# Altium PCB viper_eagle_modern.PcbDoc (part 4 of 4)
Units mm, origin at the board's own origin, x right, y up, seen from the top; angles counter-clockwise.
Board outline 285.4 x 100.2 mm, 2 copper layers (Component Side, Bottom Layer), stack 1.571 mm thick; 350 components, 202 nets, 1207 pads, 313 vias.
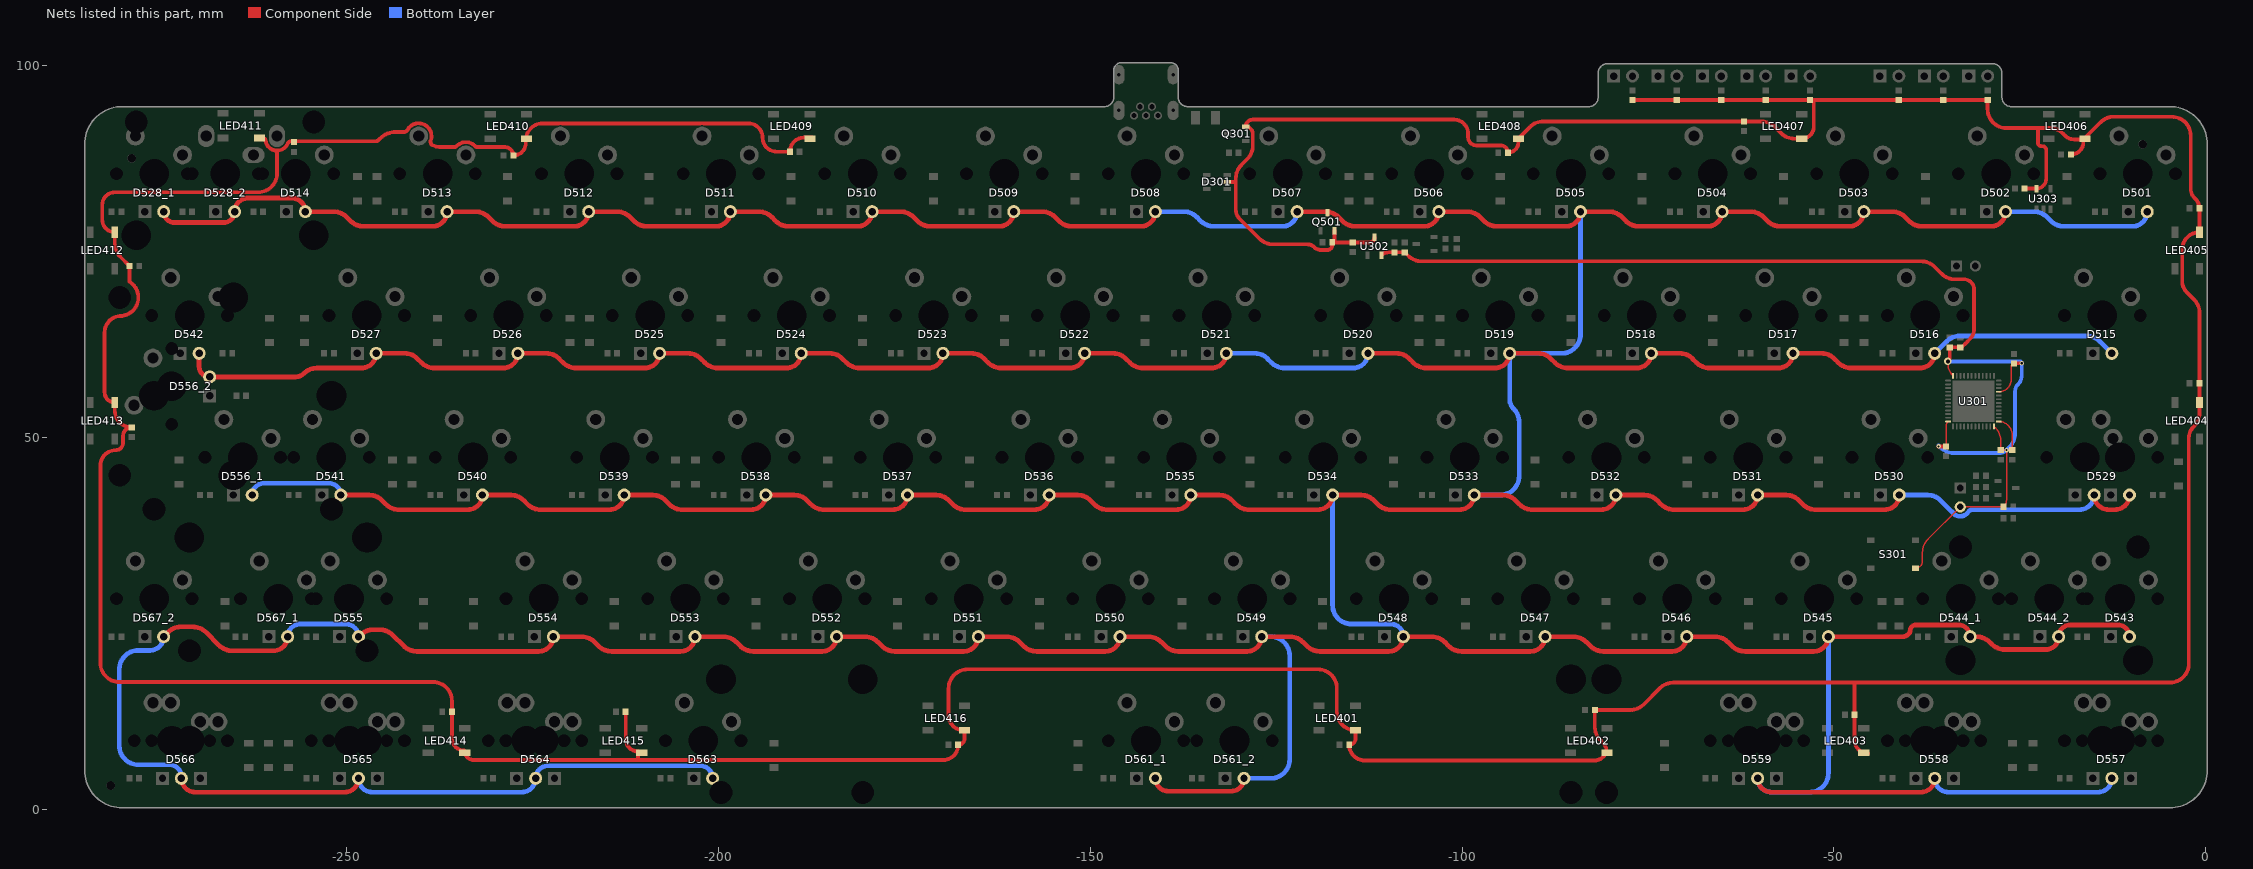
[diagram p4: the nets of this part, all layers, seen from the top]

## Via types
v1: diameter 0.6, hole 0.3, Component Side to Bottom Layer, tented both sides, 287 vias
v2: diameter 0.6, hole 0.3, Component Side to Bottom Layer, tented bottom, 25 vias
v3: diameter 1, hole 0.5, Component Side to Bottom Layer, tented both sides, 1 vias

## Nets (pads, with @x,y where several pads share a name; then routed paths per layer and width w, separated by ;. In a path a pad name is that pad's centre, name@x,y a point inside that pad or via, vN(x,y) a via of type N, cw(c..) or ccw(c..) an arc to the next point about the centre after c; other vN are vias at no path point) (continued)
VCC3V3: C301.2 C302.2 C303.2 C304.2 C305.2 C306.2 C311.2 C312.2 CON303.2 R303.1 S301.1@-39.037,32.415 U301.1 U301.9 U301.24 U301.36 U301.48 U302.2 | length 172.2
  Component Side w0.203: S301.1@-39.037,32.415 ccw(c-39.037,33.352) -38.1,33.352 -38.1,34.508 cw(c-35.56,34.508) -37.356,36.304 CON303.2@-33.02,40.64 R303.1@-27.193,40.64 ccw(c-28.149,41.596) -26.797,41.596 v1(-26.797,48.275) ; C301.2@-34.925,48.783 -34.925,51.431 cw(c-33.958,51.431) U301.36@-34.642,52.114 ; v3(-34.671,60.198) -34.671,59.904 ccw(c-32.352,59.904) U301.24@-33.992,58.264 ; U301.48@-28.492,51.464 -28.303,51.275 cw(c-30.099,49.479) -27.623,50.046 cw(c-30.099,49.479) -27.559,49.479 C312.2@-27.559,48.275 v1(-26.797,48.275) ; U301.1@-27.842,52.114 cw(c-27.842,50.307) -26.035,50.307 C305.2@-26.035,48.275 v1(-26.797,48.275) ; U301.9@-27.842,56.114 ccw(c-27.842,57.794) -26.162,57.794 -26.162,59.509 cw(c-25.781,59.509) C303.2@-25.781,59.89
  Component Side w0.508: U302.2@-110.81,74.492 cw(c-109.919,73.601) -109.919,74.861 C311.2@-109.093,74.861 C302.2@-107.696,74.861 -107.239,74.404 ccw(c-105.443,76.2) -105.443,73.66 -38.263,73.66 cw(c-38.263,71.12) -37.804,73.618 cw(c-38.263,71.12) -36.467,72.916 -35.542,71.991 ccw(c-33.746,73.787) -33.746,71.247 -32.536,71.247 cw(c-32.536,69.872) -31.16,69.872 -31.16,64.572 cw(c-33.145,64.572) -31.618,63.305 cw(c-33.145,64.572) -31.742,63.168 -32.123,62.788 cw(c-32.482,63.147) -32.147,62.766 ccw(c-31.115,61.595) -32.286,62.626 cw(c-32.667,62.962) -32.308,62.603 -32.684,62.227 cw(c-33.02,62.564) C306.2@-33.02,62.088 C304.2@-34.417,62.088 -34.417,60.811 cw(c-35.284,60.811) v3(-34.671,60.198) ; v1(-35.941,48.768) -34.961,48.768 ccw(c-34.961,48.819) C301.2@-34.925,48.783 ; C303.2@-25.781,59.89 cw(c-25.727,59.89) -25.727,59.944 v1(-24.765,59.944)
  Bottom Layer w0.508: v1@-35.941,48.895 -35.669,48.623 ccw(c-33.873,50.419) -33.873,47.879 -27.753,47.879 ccw(c-27.753,49.231) -27.164,48.014 ccw(c-27.753,49.231) v1(-26.797,48.275) -26.39,48.682 ccw(c-28.186,50.478) -25.646,50.478 -25.646,56.183 cw(c-24.373,56.183) -25.273,57.083 ccw(c-26.499,58.31) -24.765,58.31 v1(-24.765,59.944) ccw(c-25.019,59.944) -25.019,60.198 v3(-34.671,60.198)
VCC5V: C310.2 C313.2 C401.2 C402.2 C403.2 C404.2 C405.2 C406.2 C407.2 C408.2 C409.2 C410.2 C411.2 C412.2 C413.2 C414.2 C415.2 C416.2 D301.5 LED401.1 LED402.1 LED403.1 LED404.1 LED405.1 LED406.1 LED407.1 LED408.1 LED409.1 LED410.1 LED411.1 LED412.1 LED413.1 LED414.1 LED415.1 LED416.1 Q301.2 Q501.2 R401.1 R402.1 R403.1 R404.1 R405.1 R406.1 R407.1 R408.1 R568.2 U302.3 U303.5 | length 821.8
  Component Side w0.508: -280.298,66.306 cw(c-280.465,68.783) -280.44,66.3 ; LED411.1@-261.71,90.298 -261.381,90.298 cw(c-261.379,89.79) -260.877,89.865 ccw(c-259.34,90.095) -257.972,89.358 ; -259.334,88.519 -259.334,85.48 cw(c-261.874,85.48) -261.874,82.94 -281.169,82.94 ccw(c-281.169,81.28) -282.829,81.28 -282.829,79.244 ccw(c-281.15,79.244) LED412.1@-281.15,77.565 -281.15,76.066 ccw(c-278.61,76.066) -280.406,74.27 C412.2@-279.161,73.025 -279.161,70.896 cw(c-280.465,68.783) -278.229,67.704 cw(c-280.465,68.783) -280.44,66.3 ; -257.909,89.489 cw(c-257.441,89.291) -257.541,89.789 -255.27,89.789 -246.071,89.789 ccw(c-246.071,90.297) -245.685,89.967 cw(c-243.332,87.955) -245.227,90.403 cw(c-243.332,87.955) -243.332,91.051 -242.252,91.051 ccw(c-242.252,91.559) -241.806,91.317 cw(c-240.29,90.495) -239.833,92.157 cw(c-240.29,90.495) -238.67,89.905 ccw(c-238.193,89.731) -238.42,89.277 ccw(c-237.293,91.553) -237.293,89.013 -235.53,89.013 ccw(c-235.53,89.521) -235.168,89.165 cw(c-233.94,87.955) -232.712,89.165 ccw(c-232.35,89.521) -232.35,89.013 -230.796,89.013 -228.698,89.013 cw(c-228.698,87.884) C410.2@-227.569,87.884 ccw(c-227.569,89.557) -225.896,89.557 -225.896,89.917 cw(c-223.611,89.917) -223.611,92.202 -221.515,92.202 ccw(c-221.515,92.71) -221.452,92.206 cw(c-221.24,90.495) -221.028,92.206 ccw(c-220.965,92.71) -220.965,92.202 -202.465,92.202 ccw(c-202.465,92.71) -202.402,92.206 cw(c-202.19,90.495) -201.978,92.206 ccw(c-201.915,92.71) -201.915,92.202 -199.771,92.202 -195.961,92.202 cw(c-195.961,90.297) -194.056,90.297 ccw(c-192.151,90.297) -192.151,88.392 C409.2@-190.373,88.392 cw(c-188.467,88.392) -188.467,90.298 LED409.1@-187.415,90.298 ; C415.2@-212.456,13.081 -212.456,9.421 ccw(c-210.783,9.421) -210.783,7.748 ccw(c-210.783,7.711) -210.82,7.711 -210.82,6.604 ; D301.5@-131.594,84.328 -130.429,84.328 ; Q501.2@-117.16,77.794 -117.16,76.5 cw(c-117.46,76.5) R568.2@-117.46,76.2 ; U302.3@-111.76,76.892 cw(c-112.452,76.892) -112.452,76.2 R568.2@-117.46,76.2 ; R408.1@-77.089,95.35 R407.1@-71.12,95.35 R406.1@-65.151,95.35 R405.1@-59.182,95.35 R404.1@-53.213,95.35 -52.768,95.35 ; LED403.1@-45.429,7.494 cw(c-45.429,9.309) -47.244,9.309 -47.244,17.018 ; C313.2@-24.369,83.439 -22.816,83.439 cw(c-22.816,83.417) U303.5@-22.794,83.417 ccw(c-22.794,84.748) -21.463,84.748 -21.463,88.632 ccw(c-21.971,88.632) -21.971,89.14 -22.123,89.14 cw(c-22.123,89.594) -22.577,89.594 -22.577,91.567 ; C406.2@-18.146,88.011 ccw(c-18.146,89.684) -16.473,89.684 LED406.1@-16.473,90.044 ; C405.2@-0.874,80.772 ccw(c-2.677,80.772) -1.402,82.047 -1.524,82.169 cw(c-0.298,83.395) -2.032,83.395 -2.032,90.551 ccw(c-4.572,90.551) -4.572,93.091 -12.374,93.091 ccw(c-12.374,90.551) -13.301,92.916 ccw(c-12.374,90.551) -14.17,92.347 LED406.1@-16.473,90.044 ; C405.2@-0.85,80.772 LED405.1@-0.85,77.565 ccw(c-0.85,75.24) -1.906,77.311 ccw(c-0.85,75.24) -3.138,75.653 ccw(c-0.85,75.24) -3.175,75.24 -3.175,71.002 ccw(c-1.007,71.002) -2.54,69.469 -1.594,68.523 cw(c-3.39,66.727) -0.85,66.727 LED404.1@-0.85,54.685 -0.85,53.263 cw(c-3.39,53.263) -1.594,51.467 -1.835,51.225 ccw(c-0.118,49.902) -2.286,49.902 -2.286,19.558 cw(c-4.826,19.558) -4.826,17.018 -47.244,17.018 ; -280.44,66.3 ccw(c-280.435,65.792) -280.442,66.3 ccw(c-280.435,65.792) -280.474,66.299 ccw(c-280.298,64.077) -282.527,64.077 -282.527,56.062 ccw(c-281.15,56.062) LED413.1@-281.15,54.685 -281.15,53.581 ccw(c-278.892,53.581) C413.2@-278.892,51.323 ccw(c-278.892,50.18) -280.035,50.18 -280.035,49.276 cw(c-281.051,49.276) -281.051,48.26 ccw(c-281.051,46.228) -283.083,46.228 -283.083,19.631 ccw(c-280.543,19.631) -280.543,17.091 -238.364,17.091 cw(c-238.364,14.551) -235.824,14.551 C414.2@-235.824,13.081 -235.824,9.548 ccw(c-234.151,9.548) -235.79,9.214 ccw(c-234.151,9.548) -234.485,7.909 ccw(c-234.151,9.548) -234.151,7.875 ccw(c-232.88,7.875) -232.88,6.604 -210.82,6.604 ; -210.82,6.604 -169.784,6.604 ccw(c-169.784,8.636) C416.2@-167.752,8.636 ccw(c-167.752,9.499) -166.889,9.499 LED416.1@-166.889,10.6 -167.064,10.6 cw(c-167.064,12.573) -169.037,12.573 -169.037,16.256 cw(c-166.497,16.256) -166.497,18.796 -119.38,18.796 cw(c-119.38,16.256) -116.84,16.256 -116.84,13.107 ccw(c-114.333,13.107) LED401.1@-114.333,10.6 -114.333,9.477 cw(c-115.174,9.477) C401.2@-115.174,8.636 ccw(c-113.077,8.636) -113.077,6.539 -85.598,6.539 -84.206,6.539 -82.198,6.539 ccw(c-82.198,8.129) -80.608,8.129 -80.608,8.15 ccw(c-82.496,7.565) -81.098,8.962 -81.41,9.274 cw(c-79.614,11.07) -82.154,11.07 C402.2@-82.154,13.335 -77.379,13.335 ccw(c-77.379,15.875) -75.583,14.079 -73.388,16.274 cw(c-71.592,14.478) -71.592,17.018 -47.244,17.018 ; -130.429,84.328 -130.429,84.8 cw(c-127.889,84.8) -129.685,86.596 -128.887,87.394 ccw(c-130.683,89.19) -128.143,89.19 -128.143,90.796 ccw(c-129.102,90.796) Q301.2@-129.102,91.755 cw(c-128.147,91.755) -128.147,92.71 -101.092,92.71 cw(c-101.092,90.805) -99.187,90.805 -99.187,90.358 ccw(c-98.075,90.358) -98.075,89.246 -94.819,89.246 cw(c-94.819,88.265) C408.2@-93.838,88.265 ccw(c-93.838,89.678) -92.425,89.678 LED408.1@-92.425,90.15 -90.848,91.727 cw(c-89.052,89.931) -89.052,92.471 C407.2@-62.103,92.471 -59.741,92.471 cw(c-59.741,89.931) -57.945,91.727 -57.112,90.894 ccw(c-55.316,92.69) -55.316,90.15 LED407.1@-54.325,90.15 ccw(c-54.325,91.77) -52.705,91.77 -52.705,95.286 ccw(c-52.768,95.286) -52.768,95.35 ; -130.429,84.328 -130.429,80.601 ccw(c-128.695,80.601) -129.921,79.375 -127.236,76.69 ccw(c-125.44,78.486) -125.44,75.946 -120.808,75.946 cw(c-120.808,74.645) -119.888,75.565 ccw(c-118.968,76.485) -118.968,75.184 -118.11,75.184 ccw(c-118.11,75.834) -117.46,75.834 R568.2@-117.46,76.2 ; -52.768,95.35 R403.1@-41.275,95.35 R402.1@-35.306,95.35 R401.1@-29.337,95.35 -29.337,94.107 ccw(c-26.797,94.107) -26.797,91.567 -22.577,91.567 ; -22.577,91.567 -20.991,91.567 cw(c-20.991,89.027) -19.195,90.823 -18.923,90.551 ccw(c-17.699,91.775) -17.699,90.044 LED406.1@-16.473,90.044
VCC_EXT: D501.1 D502.1 D503.1 D504.1 D505.1 D506.1 D507.1 D508.1 D509.1 D510.1 D511.1 D512.1 D513.1 D514.1 D515.1 D516.1 D517.1 D518.1 D519.1 D520.1 D521.1 D522.1 D523.1 D524.1 D525.1 D526.1 D527.1 D528_1.1 D528_2.1 D529.1 D530.1 D531.1 D532.1 D533.1 D534.1 D535.1 D536.1 D537.1 D538.1 D539.1 D540.1 D541.1 D542.1 D543.1 D544_1.1 D544_2.1 D545.1 D546.1 D547.1 D548.1 D549.1 D550.1 D551.1 D552.1 D553.1 D554.1 D555.1 D556_1.1 D556_2.1 D557.1 D558.1 D559.1 D561_1.1 D561_2.1 D563.1 D564.1 D565.1 D566.1 D567_1.1 D567_2.1 Q501.3 | length 1453.7
  Component Side w0.635: D567_2.1@-274.58,23.185 -273.937,23.828 cw(c-272.288,22.179) -272.288,24.511 -270.673,24.511 cw(c-270.673,21.971) -268.877,23.767 -267.144,22.034 ccw(c-265.348,23.83) -265.348,21.29 -259.805,21.29 ccw(c-259.805,23.185) D567_1.1@-257.91,23.185 ; D528_1.1@-274.574,80.335 ccw(c-273.106,80.335) -273.106,78.867 -266.517,78.867 ccw(c-266.517,80.335) D528_2.1@-265.049,80.335 cw(c-263.215,80.335) -263.215,82.169 -257.364,82.169 cw(c-257.364,80.335) D514.1@-255.53,80.335 -251.704,80.335 cw(c-251.704,77.925) -250,79.629 -249.474,79.103 ccw(c-247.678,80.899) -247.678,78.359 -238.456,78.359 ccw(c-238.456,80.335) D513.1@-236.48,80.335 -232.654,80.335 cw(c-232.654,77.925) -230.95,79.629 -230.424,79.103 ccw(c-228.628,80.899) -228.628,78.359 -219.406,78.359 ccw(c-219.406,80.335) D512.1@-217.43,80.335 -213.604,80.335 cw(c-213.604,77.925) -211.9,79.629 -211.374,79.103 ccw(c-209.578,80.899) -209.578,78.359 -200.356,78.359 ccw(c-200.356,80.335) D511.1@-198.38,80.335 -194.554,80.335 cw(c-194.554,77.925) -192.85,79.629 -192.324,79.103 ccw(c-190.528,80.899) -190.528,78.359 -181.306,78.359 ccw(c-181.306,80.335) D510.1@-179.33,80.335 -175.504,80.335 cw(c-175.504,77.925) -173.8,79.629 -173.274,79.103 ccw(c-171.478,80.899) -171.478,78.359 -162.256,78.359 ccw(c-162.256,80.335) D509.1@-160.28,80.335 -156.454,80.335 cw(c-156.454,77.925) -154.75,79.629 -154.224,79.103 ccw(c-152.428,80.899) -152.428,78.359 -143.206,78.359 ccw(c-143.206,80.335) D508.1@-141.23,80.335 ; D566.1@-272.198,4.135 ccw(c-270.349,4.135) -270.349,2.286 -250.229,2.286 ccw(c-250.229,4.135) D565.1@-248.38,4.135 ; D542.1@-269.817,61.285 -269.817,59.532 ccw(c-268.4,59.532) D556_2.1@-268.4,58.115 -256.821,58.115 ccw(c-256.821,59.59) -255.778,58.547 -255.76,58.565 cw(c-253.964,56.769) -253.964,59.309 -247.981,59.309 ccw(c-247.981,61.285) D527.1@-246.005,61.285 -242.179,61.285 cw(c-242.179,58.875) -240.475,60.579 -239.949,60.053 ccw(c-238.153,61.849) -238.153,59.309 -228.931,59.309 ccw(c-228.931,61.285) D526.1@-226.955,61.285 -223.129,61.285 cw(c-223.129,58.875) -221.425,60.579 -220.899,60.053 ccw(c-219.103,61.849) -219.103,59.309 -209.881,59.309 ccw(c-209.881,61.285) D525.1@-207.905,61.285 -204.079,61.285 cw(c-204.079,58.875) -202.375,60.579 -201.849,60.053 ccw(c-200.053,61.849) -200.053,59.309 -190.831,59.309 ccw(c-190.831,61.285) D524.1@-188.855,61.285 -185.029,61.285 cw(c-185.029,58.875) -183.325,60.579 -182.799,60.053 ccw(c-181.003,61.849) -181.003,59.309 -171.781,59.309 ccw(c-171.781,61.285) D523.1@-169.805,61.285 -165.979,61.285 cw(c-165.979,58.875) -164.275,60.579 -163.749,60.053 ccw(c-161.953,61.849) -161.953,59.309 -152.731,59.309 ccw(c-152.731,61.285) D522.1@-150.755,61.285 -146.929,61.285 cw(c-146.929,58.875) -145.225,60.579 -144.699,60.053 ccw(c-142.903,61.849) -142.903,59.309 -133.681,59.309 ccw(c-133.681,61.285) D521.1@-131.705,61.285 ; D541.1@-250.767,42.235 D541.1@-250.761,42.235 -246.942,42.235 cw(c-246.942,39.825) -245.237,41.529 -244.711,41.003 ccw(c-242.915,42.799) -242.915,40.259 -233.694,40.259 ccw(c-233.694,42.235) D540.1@-231.717,42.235 -227.892,42.235 cw(c-227.892,39.825) -226.187,41.529 -225.661,41.003 ccw(c-223.865,42.799) -223.865,40.259 -214.644,40.259 ccw(c-214.644,42.235) D539.1@-212.667,42.235 -208.842,42.235 cw(c-208.842,39.825) -207.137,41.529 -206.611,41.003 ccw(c-204.815,42.799) -204.815,40.259 -195.594,40.259 ccw(c-195.594,42.235) D538.1@-193.617,42.235 -189.792,42.235 cw(c-189.792,39.825) -188.087,41.529 -187.561,41.003 ccw(c-185.765,42.799) -185.765,40.259 -176.544,40.259 ccw(c-176.544,42.235) D537.1@-174.567,42.235 -170.742,42.235 cw(c-170.742,39.825) -169.037,41.529 -168.511,41.003 ccw(c-166.715,42.799) -166.715,40.259 -157.494,40.259 ccw(c-157.494,42.235) D536.1@-155.517,42.235 -151.692,42.235 cw(c-151.692,39.825) -149.987,41.529 -149.461,41.003 ccw(c-147.665,42.799) -147.665,40.259 -138.444,40.259 ccw(c-138.444,42.235) D535.1@-136.467,42.235 -132.642,42.235 cw(c-132.642,39.825) -130.937,41.529 -130.411,41.003 ccw(c-128.615,42.799) -128.615,40.259 -119.394,40.259 ccw(c-119.394,42.235) D534.1@-117.417,42.235 -113.592,42.235 cw(c-113.592,39.825) -111.887,41.529 -111.361,41.003 ccw(c-109.565,42.799) -109.565,40.259 -100.344,40.259 ccw(c-100.344,42.235) D533.1@-98.367,42.235 -94.542,42.235 cw(c-94.542,39.825) -92.837,41.529 -92.311,41.003 ccw(c-90.515,42.799) -90.515,40.259 -81.294,40.259 ccw(c-81.294,42.235) D532.1@-79.317,42.235 -75.492,42.235 cw(c-75.492,39.825) -73.787,41.529 -73.261,41.003 ccw(c-71.465,42.799) -71.465,40.259 -62.244,40.259 ccw(c-62.244,42.235) D531.1@-60.267,42.235 -56.442,42.235 cw(c-56.442,39.825) -54.737,41.529 -54.211,41.003 ccw(c-52.415,42.799) -52.415,40.259 -43.194,40.259 ccw(c-43.194,42.235) D530.1@-41.217,42.235 ; D555.1@-248.385,23.185 -248.184,23.386 cw(c-246.388,21.59) -246.388,24.13 -245.558,24.13 cw(c-245.558,21.59) -243.762,23.386 -242.329,21.953 ccw(c-240.533,23.749) -240.533,21.209 -224.168,21.209 ccw(c-224.168,23.185) D554.1@-222.192,23.185 -218.366,23.185 cw(c-218.366,20.775) -216.662,22.479 -216.136,21.953 ccw(c-214.34,23.749) -214.34,21.209 -205.118,21.209 ccw(c-205.118,23.185) D553.1@-203.142,23.185 -199.316,23.185 cw(c-199.316,20.775) -197.612,22.479 -197.086,21.953 ccw(c-195.29,23.749) -195.29,21.209 -186.068,21.209 ccw(c-186.068,23.185) D552.1@-184.092,23.185 -180.266,23.185 cw(c-180.266,20.775) -178.562,22.479 -178.036,21.953 ccw(c-176.24,23.749) -176.24,21.209 -167.018,21.209 ccw(c-167.018,23.185) D551.1@-165.042,23.185 -161.216,23.185 cw(c-161.216,20.775) -159.512,22.479 -158.986,21.953 ccw(c-157.19,23.749) -157.19,21.209 -147.968,21.209 ccw(c-147.968,23.185) D550.1@-145.992,23.185 -142.166,23.185 cw(c-142.166,20.775) -140.462,22.479 -139.936,21.953 ccw(c-138.14,23.749) -138.14,21.209 -128.918,21.209 ccw(c-128.918,23.185) D549.1@-126.942,23.185 -123.116,23.185 cw(c-123.116,20.775) -121.412,22.479 -120.886,21.953 ccw(c-119.09,23.749) -119.09,21.209 -109.868,21.209 ccw(c-109.868,23.185) D548.1@-107.892,23.185 -104.066,23.185 cw(c-104.066,20.775) -102.362,22.479 -101.836,21.953 ccw(c-100.04,23.749) -100.04,21.209 -90.818,21.209 ccw(c-90.818,23.185) D547.1@-88.842,23.185 -85.016,23.185 cw(c-85.016,20.775) -83.312,22.479 -82.786,21.953 ccw(c-80.99,23.749) -80.99,21.209 -71.768,21.209 ccw(c-71.768,23.185) D546.1@-69.792,23.185 -65.966,23.185 cw(c-65.966,20.775) -64.262,22.479 -63.736,21.953 ccw(c-61.94,23.749) -61.94,21.209 -52.718,21.209 ccw(c-52.718,23.185) D545.1@-50.742,23.185 -40.696,23.185 ccw(c-40.696,24.003) -40.171,23.375 cw(c-39.764,22.888) -40.157,23.387 ccw(c-40.54,23.873) -40.102,23.436 -39.926,23.612 ccw(c-40.363,24.05) -39.747,23.99 ccw(c-40.363,24.05) -39.745,24.033 cw(c-39.11,24.016) -39.735,24.129 cw(c-38.973,23.99) -38.973,24.765 -33.27,24.765 cw(c-33.27,23.185) D544_1.1@-31.69,23.185 -30.841,23.185 cw(c-30.841,20.645) -29.045,22.441 -28.811,22.207 ccw(c-27.015,24.003) -27.015,21.463 -21.508,21.463 ccw(c-21.508,23.185) D544_2.1@-19.786,23.185 cw(c-18.206,23.185) -18.206,24.765 -11.841,24.765 cw(c-11.841,23.185) D543.1@-10.261,23.185 ; D561_1.1@-141.229,4.135 ccw(c-139.507,4.135) -139.507,2.413 -131.045,2.413 ccw(c-131.045,4.135) D561_2.1@-129.323,4.135 ; D507.1@-122.18,80.335 -118.354,80.335 cw(c-118.354,77.925) -116.65,79.629 -116.124,79.103 ccw(c-114.328,80.899) -114.328,78.359 -105.106,78.359 ccw(c-105.106,80.335) D506.1@-103.13,80.335 -99.304,80.335 cw(c-99.304,77.925) -97.6,79.629 -97.074,79.103 ccw(c-95.278,80.899) -95.278,78.359 -86.056,78.359 ccw(c-86.056,80.335) D505.1@-84.08,80.335 -80.254,80.335 cw(c-80.254,77.925) -78.55,79.629 -78.024,79.103 ccw(c-76.228,80.899) -76.228,78.359 -67.006,78.359 ccw(c-67.006,80.335) D504.1@-65.03,80.335 -61.204,80.335 cw(c-61.204,77.925) -59.5,79.629 -58.974,79.103 ccw(c-57.178,80.899) -57.178,78.359 -47.956,78.359 ccw(c-47.956,80.335) D503.1@-45.98,80.335 -42.154,80.335 cw(c-42.154,77.925) -40.45,79.629 -39.924,79.103 ccw(c-38.128,80.899) -38.128,78.359 -28.906,78.359 ccw(c-28.906,80.335) D502.1@-26.93,80.335 ; D520.1@-112.655,61.285 -108.829,61.285 cw(c-108.829,58.875) -107.125,60.579 -106.599,60.053 ccw(c-104.803,61.849) -104.803,59.309 -95.581,59.309 ccw(c-95.581,61.285) D519.1@-93.605,61.285 -89.779,61.285 cw(c-89.779,58.875) -88.075,60.579 -87.549,60.053 ccw(c-85.753,61.849) -85.753,59.309 -76.531,59.309 ccw(c-76.531,61.285) D518.1@-74.555,61.285 -70.729,61.285 cw(c-70.729,58.875) -69.025,60.579 -68.499,60.053 ccw(c-66.703,61.849) -66.703,59.309 -57.481,59.309 ccw(c-57.481,61.285) D517.1@-55.505,61.285 -51.679,61.285 cw(c-51.679,58.875) -49.975,60.579 -49.449,60.053 ccw(c-47.653,61.849) -47.653,59.309 -38.431,59.309 ccw(c-38.431,61.285) D516.1@-36.455,61.285 ; D559.1@-60.267,4.135 ccw(c-58.418,4.135) -58.418,2.286 -38.298,2.286 ccw(c-38.298,4.135) D558.1@-36.449,4.135 ; D529.1@-15.024,42.235 ccw(c-13.048,42.235) -13.048,40.259 -12.237,40.259 ccw(c-12.237,42.235) D529.1@-10.261,42.235
  Bottom Layer w0.635: D567_2.1@-274.58,23.185 cw(c-276.429,23.185) -276.429,21.336 -278.003,21.336 ccw(c-278.003,18.796) -280.543,18.796 -280.543,8.509 ccw(c-278.003,8.509) -278.003,5.969 -273.812,5.969 cw(c-273.812,4.355) -272.198,4.355 D566.1@-272.198,4.135 ; D556_1.1@-262.68,42.235 cw(c-261.1,42.235) -261.1,43.815 -252.341,43.815 cw(c-252.341,42.235) D541.1@-250.761,42.235 ; D567_1.1@-257.91,23.185 cw(c-256.203,23.185) -256.203,24.892 -250.092,24.892 cw(c-250.092,23.185) D555.1@-248.385,23.185 ; D565.1@-248.391,4.135 ccw(c-246.542,4.135) -246.542,2.286 -226.422,2.286 ccw(c-226.422,4.135) D564.1@-224.573,4.135 cw(c-222.866,4.135) -222.866,5.842 -202.468,5.842 cw(c-202.468,4.135) D563.1@-200.761,4.135 ; D508.1@-141.23,80.335 -137.404,80.335 cw(c-137.404,77.925) -135.7,79.629 -135.174,79.103 ccw(c-133.378,80.899) -133.378,78.359 -124.156,78.359 ccw(c-124.156,80.335) D507.1@-122.18,80.335 ; D521.1@-131.705,61.285 -127.879,61.285 cw(c-127.879,58.875) -126.175,60.579 -125.649,60.053 ccw(c-123.853,61.849) -123.853,59.309 -114.631,59.309 ccw(c-114.631,61.285) D520.1@-112.655,61.285 ; D561_2.1@-129.323,4.135 -125.73,4.135 ccw(c-125.73,6.675) -123.19,6.675 -123.19,20.645 ccw(c-125.73,20.645) -125.73,23.185 D549.1@-126.942,23.185 ; D534.1@-117.417,42.235 -117.417,27.432 ccw(c-114.877,27.432) -114.877,24.892 -109.599,24.892 cw(c-109.599,23.185) D548.1@-107.892,23.185 ; D533.1@-98.367,42.235 -94.869,42.235 ccw(c-94.869,44.775) -92.329,44.775 -92.329,52.034 ccw(c-94.869,52.034) -93.073,53.83 -93.091,53.848 cw(c-91.85,55.089) -93.605,55.089 D519.1@-93.605,61.285 -86.62,61.285 ccw(c-86.62,63.825) -84.08,63.825 D505.1@-84.08,80.335 ; D559.1@-60.267,4.135 ccw(c-58.418,4.135) -58.418,2.286 -53.282,2.286 ccw(c-53.282,4.826) -50.742,4.826 D545.1@-50.742,23.185 ; D530.1@-41.217,42.235 -37.392,42.235 cw(c-37.392,39.825) -35.687,41.529 -35.424,41.266 -34.075,39.937 ccw(c-33.02,40.64) -34.047,39.898 ccw(c-33.02,40.64) -31.948,39.963 cw(c-31.412,39.624) -31.41,40.259 -17,40.259 ccw(c-17,42.235) D529.1@-15.024,42.235 ; D558.1@-36.46,4.135 ccw(c-34.611,4.135) -34.611,2.286 -14.492,2.286 ccw(c-14.492,4.135) D557.1@-12.642,4.135 ; D516.1@-36.455,61.285 -34.857,62.883 cw(c-33.061,61.087) -33.061,63.627 -16.037,63.627 cw(c-16.037,61.087) -14.241,62.883 D515.1@-12.642,61.285 ; D502.1@-26.93,80.335 -23.104,80.335 cw(c-23.104,77.925) -21.4,79.629 -20.874,79.103 ccw(c-19.078,80.899) -19.078,78.359 -9.856,78.359 ccw(c-9.856,80.335) D501.1@-7.88,80.335
pads on no net: CON301.4 D301.1 D301.6 D401. D402. D403. D404. D405. D406. D407. D408. D501. D502. D503. D504. D505. D506. D507. D508. D509. D510. D511. D512. D513. D514. D515. D516. D517. D518. D519. D520. D521. D522. D523. D524. D525. D526. D527. D528_1. D528_2. D529. D530. D531. D532. D533. D534. D535. D536. D537. D538. D539. D540. D541. D542. D543. D544_1. D544_2. D545. D546. D547. D548. D549. D550. D551. D552. D553. D554. D555. D556_1. D556_2. D557. D558. D559. D561_1. D561_2. D563. D564. D565. D566. D567_1. D567_2. LED405.2 S201. S202. S203. S204. S205. S206. S207. S208. S209. S210. S211. S212. S213. S214. S215. S216. S217. S218. S219. S220. S221. S222. S223. S224. S225. S226. S227. S228. S229. S230. S231. S232. S233. S234. S235. S236. S237. S238. S239. S240. S241. S242. S243. S244. S245. S246. S247. S248. S249. S250. S251. S252. S253. S254. S255. S256. S257. S258. S259. S260. S261. S262. S263. S264. S267. S301.1@-45.037,32.415 S301.2@-45.037,36.165 U301.5 U301.6 U301.15 U301.16 U301.34 U301.37

## Polygon pours and split planes (outlines as drawn)
GND on Bottom Layer "GND_L02_P000" (hatched 45Degree grid 1.016 track 0.203, remove dead copper, pour order 0): -285.2,4.214 cw(c-285.15,4.215) -285.2,4.215 -285.2,90.415 cw(c-285.15,90.415) -285.2,90.416 cw(c-281.15,90.415) -281.15,94.465 cw(c-281.15,94.415) -281.149,94.465 -148.07,94.465 ccw(c-148.07,95.685) -146.85,95.685 -146.85,99.314 cw(c-145.8,99.314) -145.815,100.364 cw(c-145.812,100.314) -145.812,100.364 -139.081,100.364 cw(c-139.081,100.314) -139.05,100.354 cw(c-139.2,99.314) -138.15,99.314 -138.15,95.685 ccw(c-136.93,95.685) -136.93,94.465 cw(c-136.93,94.415) -136.929,94.465 -82.931,94.465 ccw(c-82.931,95.685) -81.711,95.685 -81.711,98.933 cw(c-80.391,98.933) -80.391,100.253 -28.73,100.253 cw(c-28.73,98.933) -27.41,98.933 -27.41,95.685 ccw(c-26.19,95.685) -26.19,94.465 cw(c-26.19,94.415) -26.19,94.465 -3.85,94.465 cw(c-3.85,90.415) 0.2,90.415 cw(c0.15,90.415) 0.2,90.414 0.2,39.37 0.2,39.065 ccw(c0.15,39.065) 0.2,39.065 0.2,4.216 0.2,4.215 ccw(c0.15,4.215) 0.2,4.216 0.2,4.215 cw(c-3.85,4.215) -3.849,0.165 cw(c-3.85,4.215) -3.85,0.165 ccw(c-3.85,0.215) -3.849,0.165 -3.85,0.165 -281.15,0.165 cw(c-281.15,0.215) -281.152,0.165 ccw(c-281.15,4.215) -281.15,0.165 -281.152,0.165 cw(c-281.15,4.215)
GND on Component Side "GND_L01_P001" (hatched 45Degree grid 1.016 track 0.203, remove dead copper, pour order 1): -285.2,4.214 cw(c-285.15,4.215) -285.2,4.215 -285.2,90.415 cw(c-285.15,90.415) -285.2,90.416 cw(c-281.15,90.415) -281.15,94.465 cw(c-281.15,94.415) -281.149,94.465 -148.07,94.465 ccw(c-148.07,95.685) -146.85,95.685 -146.85,99.314 cw(c-145.8,99.314) -145.815,100.364 cw(c-145.812,100.314) -145.812,100.364 -139.081,100.364 cw(c-139.081,100.314) -139.05,100.354 cw(c-139.2,99.314) -138.15,99.314 -138.15,95.685 ccw(c-136.93,95.685) -136.93,94.465 cw(c-136.93,94.415) -136.929,94.465 -82.931,94.465 ccw(c-82.931,95.685) -81.711,95.685 -81.711,98.933 cw(c-80.391,98.933) -80.391,100.253 -28.73,100.253 cw(c-28.73,98.933) -27.41,98.933 -27.41,95.685 ccw(c-26.19,95.685) -26.19,94.465 cw(c-26.19,94.415) -26.19,94.465 -3.85,94.465 cw(c-3.85,90.415) 0.2,90.415 cw(c0.15,90.415) 0.2,90.414 0.2,39.37 0.2,39.065 ccw(c0.15,39.065) 0.2,39.065 0.2,4.216 0.2,4.215 ccw(c0.15,4.215) 0.2,4.216 0.2,4.215 cw(c-3.85,4.215) -3.849,0.165 cw(c-3.85,4.215) -3.85,0.165 ccw(c-3.85,0.215) -3.849,0.165 -3.85,0.165 -281.15,0.165 cw(c-281.15,0.215) -281.152,0.165 ccw(c-281.15,4.215) -281.15,0.165 -281.152,0.165 cw(c-281.15,4.215)

## Other copper
Component Side:
  pour cut-out: -285.6,5.215 ccw(c-280.15,5.215) -280.156,-0.235 ccw(c-280.15,0.215) -280.15,-0.235 -4.85,-0.235 ccw(c-4.85,0.215) -4.4,0.215 ccw(c-4.85,0.215) -4.85,0.665 -280.145,0.665 -280.15,0.665 cw(c-280.15,0.215) -280.145,0.665 -280.15,0.665 cw(c-280.15,5.215) -284.7,5.215 -284.7,89.413 -284.7,89.415 cw(c-280.15,89.415) -280.15,93.965 -148.07,93.965 ccw(c-148.07,95.685) -146.35,95.685 -146.35,99.314 cw(c-145.8,99.314) -145.8,99.864 -139.2,99.864 cw(c-139.2,99.314) -138.65,99.314 -138.65,95.685 ccw(c-136.93,95.685) -136.932,93.965 ccw(c-136.93,95.685) -136.93,93.965 cw(c-136.93,94.415) -136.932,93.965 -136.93,93.965 -82.931,93.965 ccw(c-82.931,95.685) -81.211,95.685 -81.211,96.871 ccw(c-81.66,96.901) -81.21,96.901 -81.21,98.044 ccw(c-81.66,98.044) -81.211,98.074 -81.211,98.933 cw(c-80.391,98.933) -80.391,99.753 -28.73,99.753 cw(c-28.73,98.933) -27.91,98.933 -27.91,95.685 ccw(c-26.19,95.685) -26.19,93.965 ccw(c-26.19,94.415) -26.188,93.965 -4.85,93.965 cw(c-4.85,89.415) -0.3,89.416 cw(c-4.85,89.415) -0.3,89.415 cw(c0.15,89.415) -0.3,89.416 -0.3,89.415 -0.3,39.247 -0.3,5.215 ccw(c0.15,5.215) 0.6,5.215 0.6,39.065 0.6,39.37 0.6,89.413 ccw(c0.15,89.415) 0.6,89.415 ccw(c-4.85,89.415) -4.85,94.865 -26.19,94.865 ccw(c-26.19,94.415) -26.191,94.865 cw(c-26.19,95.685) -27.01,95.685 -27.01,98.933 ccw(c-28.73,98.933) -28.73,100.653 -80.391,100.653 ccw(c-80.391,98.933) -82.111,98.933 -82.111,95.685 cw(c-82.931,95.685) -82.931,94.865 -136.928,94.865 ccw(c-136.93,94.415) -136.93,94.865 cw(c-136.93,95.685) -137.75,95.685 -137.75,99.314 ccw(c-139.2,99.314) -138.934,100.74 ccw(c-139.081,100.314) -139.081,100.764 -145.812,100.764 ccw(c-145.812,100.314) -145.827,100.764 ccw(c-145.8,99.314) -147.25,99.314 -147.25,95.685 cw(c-148.07,95.685) -148.07,94.865 -280.15,94.865 ccw(c-280.15,89.415) -285.6,89.417 ccw(c-280.15,89.415) -285.6,89.415 cw(c-285.15,89.415) -285.6,89.417 -285.6,89.415
  pour cut-out: -4.85,-0.235 ccw(c-4.85,5.215) 0.6,5.215 ccw(c0.15,5.215) -0.3,5.215 cw(c-4.85,5.215) -4.85,0.665 ccw(c-4.85,0.215)
  region net GND: 1746 vertices and 2 holes, not listed, extent -102.429,8.307 -96.072,14.908
Bottom Layer:
  pour cut-out: -4.85,-0.235 ccw(c-4.85,5.215) 0.6,5.215 ccw(c0.15,5.215) -0.3,5.215 cw(c-4.85,5.215) -4.85,0.665 ccw(c-4.85,0.215)
  pour cut-out: -285.6,5.215 ccw(c-280.15,5.215) -280.156,-0.235 ccw(c-280.15,0.215) -280.15,-0.235 -4.85,-0.235 ccw(c-4.85,0.215) -4.4,0.215 ccw(c-4.85,0.215) -4.85,0.665 -280.145,0.665 -280.15,0.665 cw(c-280.15,0.215) -280.145,0.665 -280.15,0.665 cw(c-280.15,5.215) -284.7,5.215 -284.7,89.413 -284.7,89.415 cw(c-280.15,89.415) -280.15,93.965 -148.07,93.965 ccw(c-148.07,95.685) -146.35,95.685 -146.35,99.314 cw(c-145.8,99.314) -145.8,99.864 -139.2,99.864 cw(c-139.2,99.314) -138.65,99.314 -138.65,95.685 ccw(c-136.93,95.685) -136.932,93.965 ccw(c-136.93,95.685) -136.93,93.965 cw(c-136.93,94.415) -136.932,93.965 -136.93,93.965 -82.931,93.965 ccw(c-82.931,95.685) -81.211,95.685 -81.211,96.871 ccw(c-81.66,96.901) -81.21,96.901 -81.21,98.044 ccw(c-81.66,98.044) -81.211,98.074 -81.211,98.933 cw(c-80.391,98.933) -80.391,99.753 -28.73,99.753 cw(c-28.73,98.933) -27.91,98.933 -27.91,95.685 ccw(c-26.19,95.685) -26.19,93.965 ccw(c-26.19,94.415) -26.188,93.965 -4.85,93.965 cw(c-4.85,89.415) -0.3,89.416 cw(c-4.85,89.415) -0.3,89.415 cw(c0.15,89.415) -0.3,89.416 -0.3,89.415 -0.3,39.247 -0.3,5.215 ccw(c0.15,5.215) 0.6,5.215 0.6,39.065 0.6,39.37 0.6,89.413 ccw(c0.15,89.415) 0.6,89.415 ccw(c-4.85,89.415) -4.85,94.865 -26.19,94.865 ccw(c-26.19,94.415) -26.191,94.865 cw(c-26.19,95.685) -27.01,95.685 -27.01,98.933 ccw(c-28.73,98.933) -28.73,100.653 -80.391,100.653 ccw(c-80.391,98.933) -82.111,98.933 -82.111,95.685 cw(c-82.931,95.685) -82.931,94.865 -136.928,94.865 ccw(c-136.93,94.415) -136.93,94.865 cw(c-136.93,95.685) -137.75,95.685 -137.75,99.314 ccw(c-139.2,99.314) -138.934,100.74 ccw(c-139.081,100.314) -139.081,100.764 -145.812,100.764 ccw(c-145.812,100.314) -145.827,100.764 ccw(c-145.8,99.314) -147.25,99.314 -147.25,95.685 cw(c-148.07,95.685) -148.07,94.865 -280.15,94.865 ccw(c-280.15,89.415) -285.6,89.417 ccw(c-280.15,89.415) -285.6,89.415 cw(c-285.15,89.415) -285.6,89.417 -285.6,89.415

## Silkscreen, mask and mechanical layers (free items; w line width, h text height)
Top Overlay:
  text "+" at -51.208,98.962 h0.75 r180
  text "-" at -79.293,97.189 h0.75 r180
  text "-" at -73.324,97.189 h0.75 r180
  text "-" at -67.355,97.189 h0.75 r180
  text "-" at -61.386,97.189 h0.75 r180
  text "-" at -55.417,97.189 h0.75 r180
  text "-" at -43.479,97.189 h0.75 r180
  text "-" at -37.51,97.189 h0.75 r180
  text "-" at -31.541,97.189 h0.75 r180
  text "+" at -274.971,82.34 h0.75 r270
  text "+" at -265.446,82.34 h0.75 r270
  text "+" at -255.927,82.34 h0.75 r270
  text "+" at -236.877,82.34 h0.75 r270
  text "+" at -217.827,82.34 h0.75 r270
  text "+" at -198.777,82.34 h0.75 r270
  text "+" at -179.727,82.34 h0.75 r270
  text "+" at -160.677,82.34 h0.75 r270
  text "+" at -141.627,82.34 h0.75 r270
  text "+" at -122.577,82.34 h0.75 r270
  text "+" at -103.527,82.34 h0.75 r270
  text "+" at -84.477,82.34 h0.75 r270
  text "+" at -65.427,82.34 h0.75 r270
  text "+" at -46.377,82.34 h0.75 r270
  text "+" at -27.327,82.34 h0.75 r270
  text "+" at -8.277,82.34 h0.75 r270
  text "-" at -277.45,81.711 h0.75
  text "-" at -267.925,81.711 h0.75
  text "-" at -258.406,81.711 h0.75
  text "-" at -239.356,81.711 h0.75
  text "-" at -220.306,81.711 h0.75
  text "-" at -201.256,81.711 h0.75
  text "-" at -182.206,81.711 h0.75
  text "-" at -163.156,81.711 h0.75
  text "-" at -144.106,81.711 h0.75
  text "-" at -125.056,81.711 h0.75
  text "-" at -106.006,81.711 h0.75
  text "-" at -86.956,81.711 h0.75
  text "-" at -67.906,81.711 h0.75
  text "-" at -48.856,81.711 h0.75
  text "-" at -29.806,81.711 h0.75
  text "-" at -10.756,81.711 h0.75
  text "PB11" at -33.886,77.447 h0.76 r270
  text "PB10" at -31.346,77.447 h0.76 r270
  text "+" at -246.402,63.29 h0.75 r270
  text "+" at -227.352,63.29 h0.75 r270
  text "+" at -208.302,63.29 h0.75 r270
  text "+" at -189.252,63.29 h0.75 r270
  text "+" at -170.202,63.29 h0.75 r270
  text "+" at -151.152,63.29 h0.75 r270
  text "+" at -132.102,63.29 h0.75 r270
  text "+" at -113.052,63.29 h0.75 r270
  text "+" at -94.002,63.29 h0.75 r270
  text "+" at -74.952,63.29 h0.75 r270
  text "+" at -55.902,63.29 h0.75 r270
  text "+" at -36.852,63.29 h0.75 r270
  text "+" at -13.039,63.29 h0.75 r270
  text "-" at -248.881,62.661 h0.75
  text "-" at -229.831,62.661 h0.75
  text "-" at -210.781,62.661 h0.75
  text "-" at -191.731,62.661 h0.75
  text "-" at -172.681,62.661 h0.75
  text "-" at -153.631,62.661 h0.75
  text "-" at -134.581,62.661 h0.75
  text "-" at -115.531,62.661 h0.75
  text "-" at -96.481,62.661 h0.75
  text "-" at -77.431,62.661 h0.75
  text "-" at -58.381,62.661 h0.75
  text "-" at -39.331,62.661 h0.75
  text "-" at -15.518,62.661 h0.75
  text "+" at -270.405,57.718 h0.75
  text "-" at -269.776,55.239 h0.75 r90
  text "+" at -232.114,44.24 h0.75 r270
  text "+" at -213.064,44.24 h0.75 r270
  text "+" at -194.014,44.24 h0.75 r270
  text "+" at -174.964,44.24 h0.75 r270
  text "+" at -155.914,44.24 h0.75 r270
  text "+" at -136.864,44.24 h0.75 r270
  text "+" at -117.814,44.24 h0.75 r270
  text "+" at -98.764,44.24 h0.75 r270
  text "+" at -79.714,44.24 h0.75 r270
  text "+" at -60.664,44.24 h0.75 r270
  text "+" at -41.614,44.24 h0.75 r270
  text "+" at -15.421,44.24 h0.75 r270
  text "+" at -10.658,44.24 h0.75 r270
  text "-" at -234.593,43.611 h0.75
  text "-" at -215.543,43.611 h0.75
  text "-" at -196.493,43.611 h0.75
  text "-" at -177.443,43.611 h0.75
  text "-" at -158.393,43.611 h0.75
  text "-" at -139.343,43.611 h0.75
  text "-" at -120.293,43.611 h0.75
  text "-" at -101.243,43.611 h0.75
  text "-" at -82.193,43.611 h0.75
  text "-" at -63.143,43.611 h0.75
  text "-" at -44.093,43.611 h0.75
  text "-" at -17.899,43.611 h0.75
  text "-" at -13.137,43.611 h0.75
  text "+" at -263.077,40.684 h0.75 r270
  text "-" at -265.556,40.055 h0.75
  text "BL/RESET" at -44.831,37.338 h0.75
  text "+" at -274.977,25.19 h0.75 r270
  text "+" at -258.307,25.19 h0.75 r270
  text "+" at -248.782,25.19 h0.75 r270
  text "+" at -222.589,25.19 h0.75 r270
  text "+" at -203.539,25.19 h0.75 r270
  text "+" at -184.489,25.19 h0.75 r270
  text "+" at -165.439,25.19 h0.75 r270
  text "+" at -146.389,25.19 h0.75 r270
  text "+" at -127.339,25.19 h0.75 r270
  text "+" at -108.289,25.19 h0.75 r270
  text "+" at -70.189,25.19 h0.75 r270
  text "+" at -51.139,25.19 h0.75 r270
  text "+" at -32.087,25.19 h0.75 r270
  text "+" at -20.183,25.19 h0.75 r270
  text "+" at -10.658,25.19 h0.75 r270
  text "+" at -89.17,24.992 h0.75 r270
  text "-" at -277.456,24.561 h0.75
  text "-" at -260.786,24.561 h0.75
  text "-" at -251.261,24.561 h0.75
  text "-" at -225.068,24.561 h0.75
  text "-" at -206.018,24.561 h0.75
  text "-" at -186.968,24.561 h0.75
  text "-" at -167.918,24.561 h0.75
  text "-" at -148.868,24.561 h0.75
  text "-" at -129.818,24.561 h0.75
  text "-" at -110.768,24.561 h0.75
  text "-" at -72.668,24.561 h0.75
  text "-" at -53.618,24.561 h0.75
  text "-" at -34.566,24.561 h0.75
  text "-" at -22.662,24.561 h0.75
  text "-" at -13.137,24.561 h0.75
  text "-" at -91.649,24.363 h0.75
  text "+" at -272.595,6.14 h0.75 r270
  text "+" at -248.777,6.14 h0.75 r270
  text "+" at -224.97,6.14 h0.75 r270
  text "+" at -201.158,6.14 h0.75 r270
  text "+" at -141.626,6.14 h0.75 r270
  text "+" at -129.72,6.14 h0.75 r270
  text "+" at -60.664,6.14 h0.75 r270
  text "+" at -36.846,6.14 h0.75 r270
  text "+" at -13.039,6.14 h0.75 r270
  text "-" at -275.074,5.511 h0.75
  text "-" at -269.994,5.511 h0.75
  text "-" at -251.256,5.511 h0.75
  text "-" at -246.176,5.511 h0.75
  text "-" at -227.449,5.511 h0.75
  text "-" at -222.369,5.511 h0.75
  text "-" at -203.637,5.511 h0.75
  text "-" at -144.105,5.511 h0.75
  text "-" at -132.199,5.511 h0.75
  text "-" at -63.143,5.511 h0.75
  text "-" at -58.063,5.511 h0.75
  text "-" at -39.325,5.511 h0.75
  text "-" at -34.245,5.511 h0.75
  text "-" at -15.518,5.511 h0.75
  text "-" at -10.438,5.511 h0.75
  text "Eagle/Viper REP" at -108.585,4.682 h3.5
  text "Rev A1" at -101.727,2.182 h2.5
Top Solder:
  drawing of 2 lines, arcs and shapes, not listed
outline:
  lines w0.1: -145.812,100.314 -139.081,100.314 ; -145.8,100.314 ccw(c-145.8,99.314) -146.8,99.314 -146.8,95.685 cw(c-148.07,95.685) -148.07,94.415 -280.15,94.415 ccw(c-280.15,89.415) -285.15,89.415 -285.15,5.215 ccw(c-280.15,5.215) -280.15,0.215 -4.85,0.215 ccw(c-4.85,5.215) 0.15,5.215 0.15,39.37 ; -139.2,100.314 cw(c-139.2,99.314) -138.2,99.314 -138.2,95.685 ccw(c-136.93,95.685) -136.93,94.415 -82.931,94.415 ccw(c-82.931,95.685) -81.661,95.685 -81.661,98.615 ; -81.661,98.298 -81.661,98.933 cw(c-80.391,98.933) -80.391,100.203 -28.73,100.203 cw(c-28.73,98.933) -27.46,98.933 -27.46,98.044 ; -81.66,96.901 -81.66,98.044 ; 0.15,39.065 0.15,89.415 ccw(c-4.85,89.415) -4.85,94.415 -26.19,94.415 cw(c-26.19,95.685) -27.46,95.685 -27.46,98.044 ; -27.46,98.044 -27.46,98.044
  lines w0.254: -144.399,102.755 -140.462,102.755
Mechanical 2:
  drawing of 444 lines, arcs and shapes, not listed
  text "PROPHET" at -20.347,93.6 h0.5
Mechanical 16:
  drawing of 556 lines, arcs and shapes, not listed

## Text inside footprints (layer, text, board x,y; h text height)
S260: Mechanical 16 "6.25U" at -188.764,5.615 h1.52 r270; Mechanical 16 "7U" at -208.331,7.365 h1.52 r270